# KiCad board totem_0_3.kicad_pcb
title: fabiTEM split keyboard; date: 2024-05-19; rev: 0.4; note: Made by GEIST & fabi
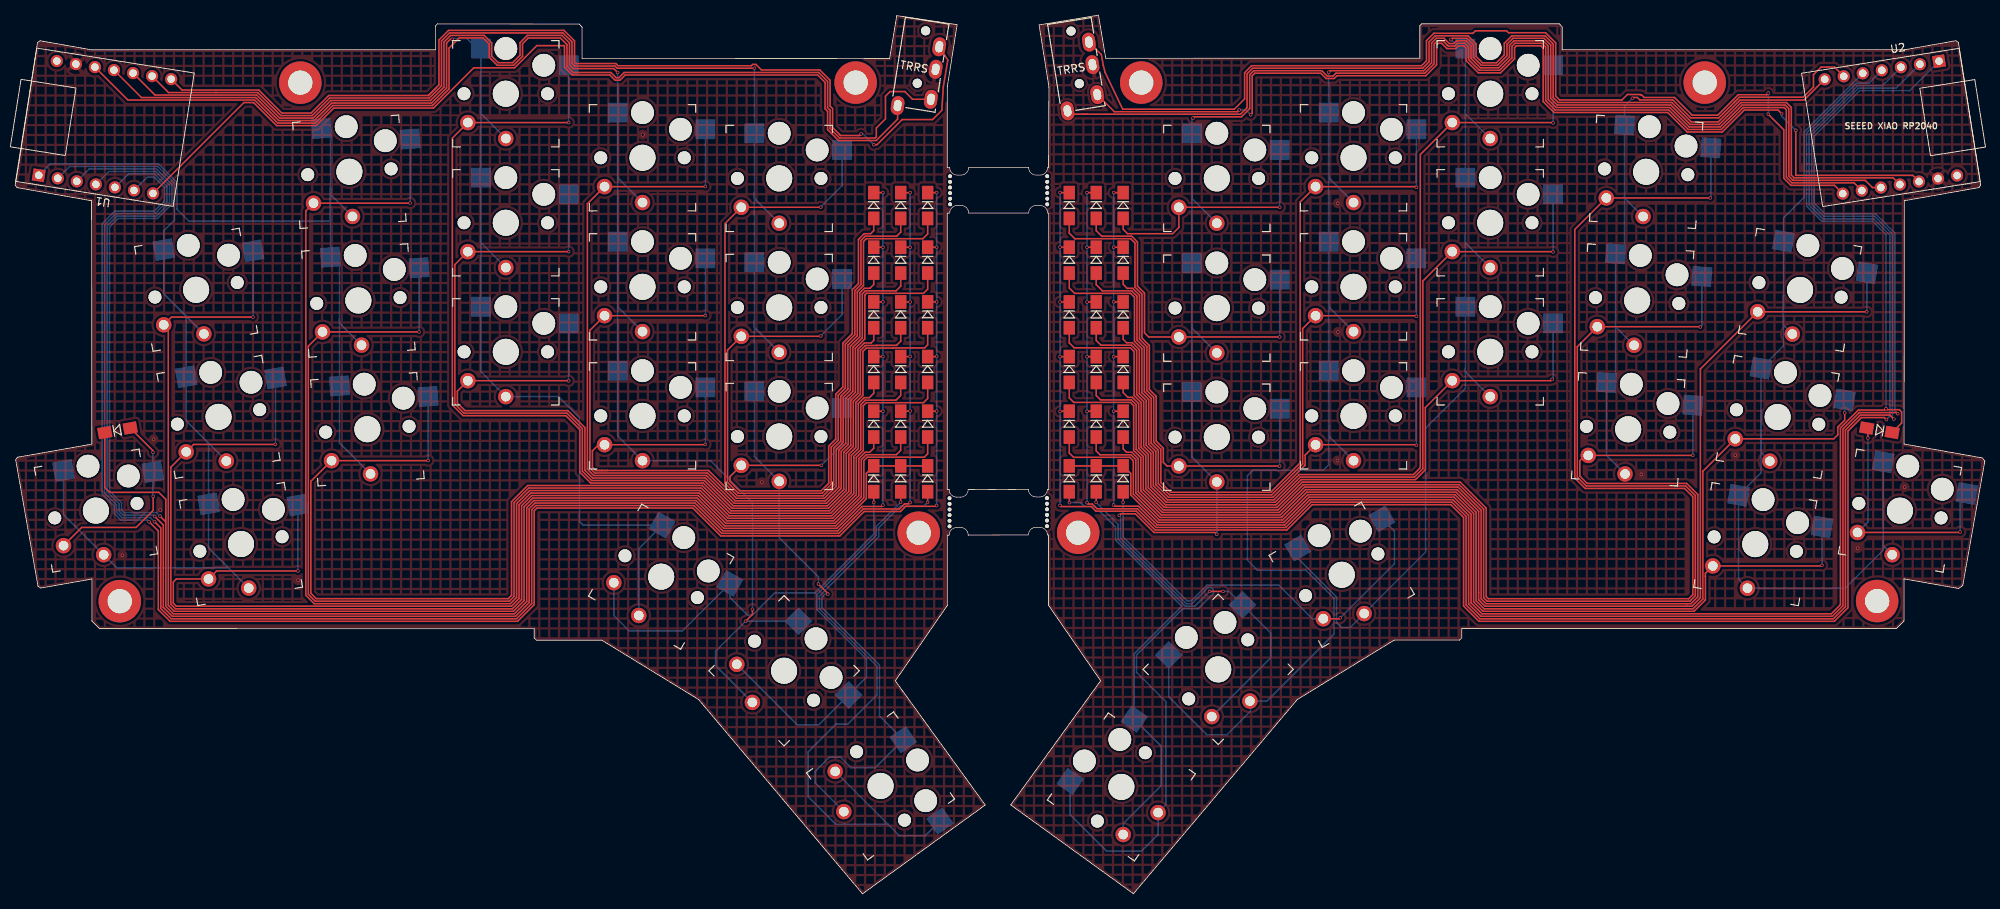
[diagram p0: board, top side]
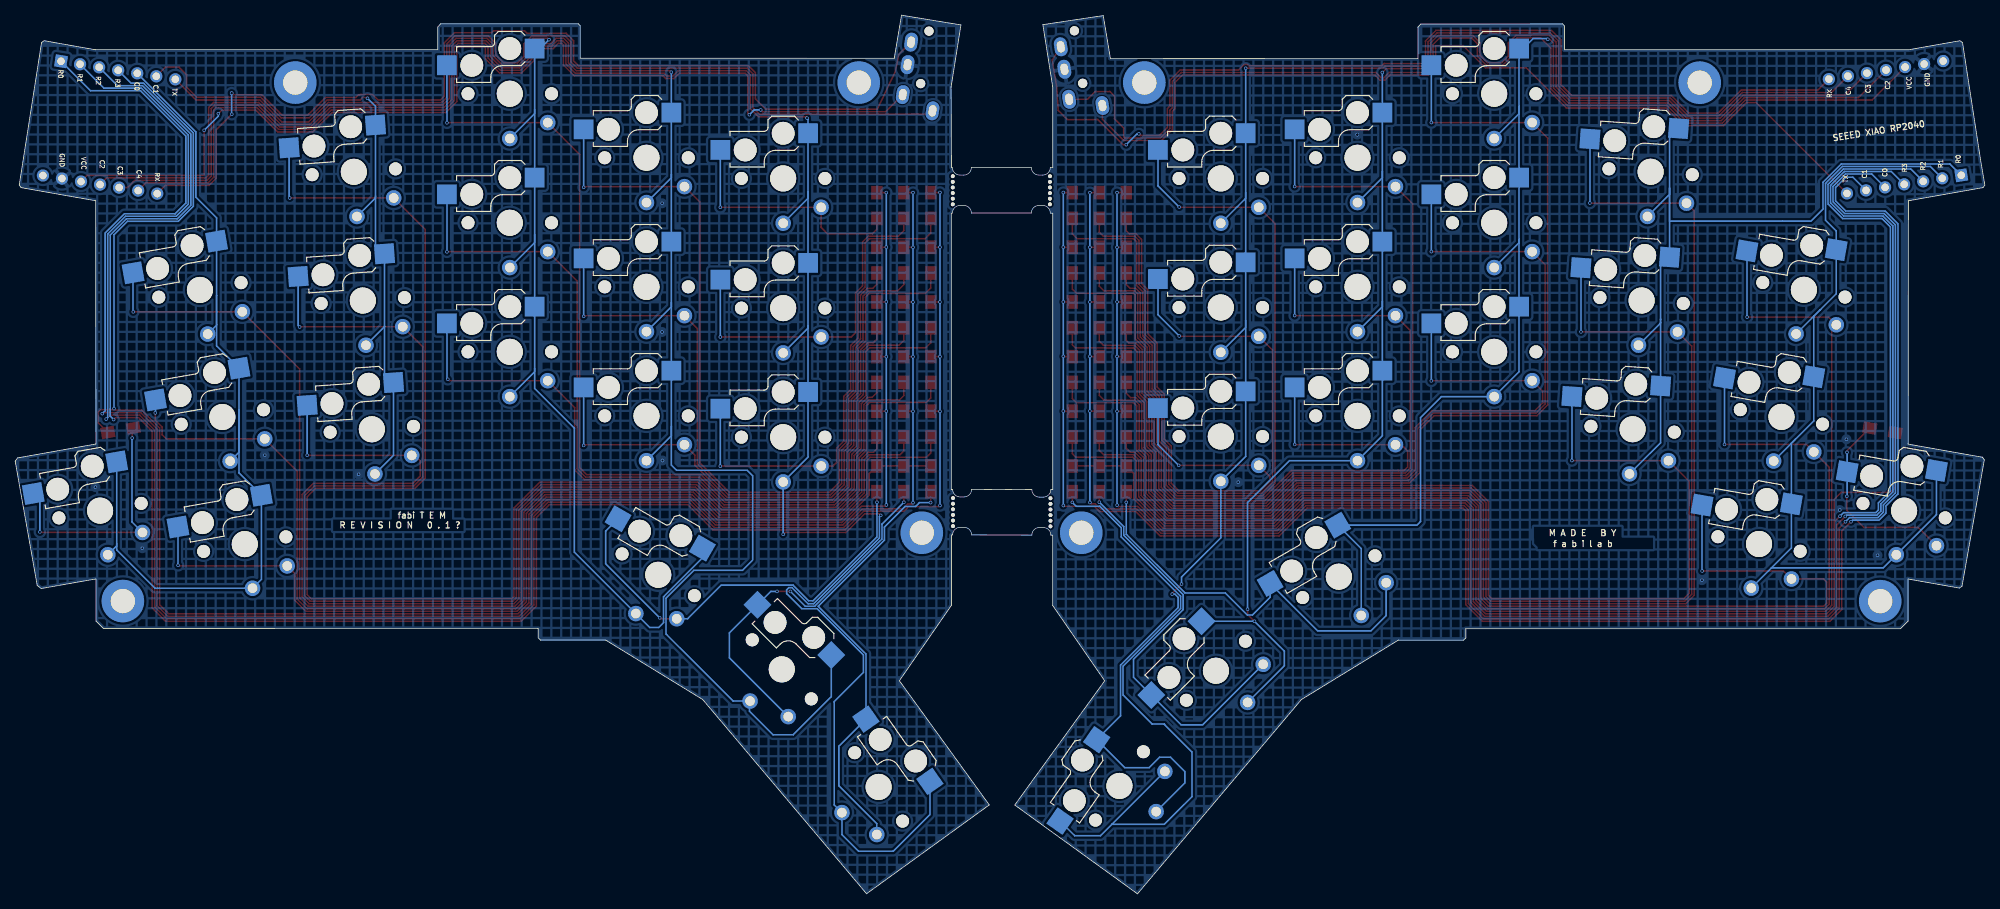
[diagram p1: board, bottom side, seen from below]

Outline 259.35 x 115.75 mm; copper layers: Top, Bottom. Coordinates in mm from the lower left corner of the outline.
Outline path: 123.05,89.68 122.73,89.65 122.73,53.25 122.98,53.26 ; 123.05,95.68 122.73,95.68 122.73,106.3 124.03,114.49 116.08,115.69 115.14,110.06 74.64,110.05 74.64,114.18 74.28,114.58 55.59,114.6 55.35,114.34 55.35,111.19 10.01,111.19 3.28,112.38 2.94,112.14 0.57,96.73 0,93.37 0.24,93.03 10.06,91.3 10.1,59.24 0.31,57.51 0.3,57.51 0.07,57.17 3,40.52 3.34,40.28 10.1,41.47 10.1,35.93 11.1,34.93 68.33,34.92 68.33,33.71 68.63,33.42 77.23,33.42 89.99,25.59 111.57,0 127.73,11.7 115.89,28.06 122.74,37.99 122.74,47.24 122.98,47.26 ; 125.55,89.68 133.45,89.68 ; 125.55,95.68 133.45,95.68 ; 133.42,47.28 125.48,47.26 ; 133.42,53.28 125.48,53.26 ; 135.95,89.68 136.09,89.65 136.09,53.25 135.92,53.28 ; 135.95,95.68 136.07,95.7 136.12,106.28 134.82,114.47 142.64,115.75 143.6,110.07 184.96,110.08 184.96,114.37 185.2,114.61 203.35,114.61 203.7,114.2 203.7,111.2 248.8,111.2 255.54,112.39 255.88,112.15 258.82,93.38 258.58,93.04 248.75,91.31 248.72,59.25 259.04,57.42 259.35,57 256.45,40.63 255.92,40.22 248.71,41.48 248.71,35.94 247.72,34.94 190.48,34.93 190.48,33.72 190.19,33.42 181.59,33.42 168.83,25.6 147.25,0.01 131.09,11.71 142.93,28.07 136.08,38 136.08,47.25 135.92,47.28
Stack: Top 0.035mm / dielectric 1.51mm FR4 er 4.5 / Bottom 0.035mm

## Placement (name value [footprint] x y rotation side)
DL1  D_Small  [Diode_SOD123]  120.15 61.87 270 top
DL2  D_Small  [Diode_SOD123]  120.15 69.07 270 top
DL3  D_Small  [Diode_SOD123]  120.15 76.27 270 top
DL4  D_Small  [Diode_SOD123]  120.15 83.47 270 top
DL5  D_Small  [Diode_SOD123]  120.15 90.67 270 top
DL6  D_Small  [Diode_SOD123]  116.6 61.87 270 top
DL7  D_Small  [Diode_SOD123]  116.6 69.07 270 top
DL8  D_Small  [Diode_SOD123]  116.6 76.27 270 top
DL9  D_Small  [Diode_SOD123]  116.6 83.47 270 top
DL10  D_Small  [Diode_SOD123]  116.6 90.67 270 top
DL11  D_Small  [Diode_SOD123]  113.05 61.87 270 top
DL12  D_Small  [Diode_SOD123]  113.05 69.07 270 top
DL13  D_Small  [Diode_SOD123]  113.05 76.27 270 top
DL14  D_Small  [Diode_SOD123]  113.05 83.47 270 top
DL15  D_Small  [Diode_SOD123]  113.05 90.67 270 top
DL16  D_Small  [Diode_SOD123]  13.47 61.07 10 top
DL17  D_Small  [Diode_SOD123]  113.05 54.67 270 top
DL18  D_Small  [Diode_SOD123]  116.6 54.67 270 top
DL19  D_Small  [Diode_SOD123]  120.15 54.67 270 top
DR1  D_Small  [Diode_SOD123]  145.9 61.87 270 top
DR2  D_Small  [Diode_SOD123]  145.9 69.07 270 top
DR3  D_Small  [Diode_SOD123]  145.9 76.27 270 top
DR4  D_Small  [Diode_SOD123]  145.9 83.47 270 top
DR5  D_Small  [Diode_SOD123]  145.9 90.67 270 top
DR6  D_Small  [Diode_SOD123]  142.35 61.87 270 top
DR7  D_Small  [Diode_SOD123]  142.35 69.07 270 top
DR8  D_Small  [Diode_SOD123]  142.35 76.27 270 top
DR9  D_Small  [Diode_SOD123]  142.35 83.47 270 top
DR10  D_Small  [Diode_SOD123]  142.35 90.67 270 top
DR11  D_Small  [Diode_SOD123]  138.8 61.87 270 top
DR12  D_Small  [Diode_SOD123]  138.8 69.07 270 top
DR13  D_Small  [Diode_SOD123]  138.8 76.27 270 top
DR14  D_Small  [Diode_SOD123]  138.8 83.47 270 top
DR15  D_Small  [Diode_SOD123]  138.8 90.67 270 top
DR16  D_Small  [Diode_SOD123]  245.47 61.07 170 top
DR17  D_Small  [Diode_SOD123]  145.9 54.67 270 top
DR18  D_Small  [Diode_SOD123]  142.35 54.67 270 top
DR19  D_Small  [Diode_SOD123]  138.8 54.67 270 top
J1  MJ-4PP-9  [MJ-4PP-9_1side]  120.11 115.17 351 top
J2  MJ-4PP-9  [MJ-4PP-9_1side]  138.79 115.13 9 top
REF**  mousebites 2mm  [mousebites_2.5mm]  135.92 50.28 0 top
REF**#2  -  [MountingHole_3.2mm_M3_DIN965_Pad]  118.97 47.57 0 top
REF**#3  -  [MountingHole_3.2mm_M3_DIN965_Pad]  13.77 38.55 0 top
REF**#4  -  [MountingHole_3.2mm_M3_DIN965_Pad]  245.17 38.57 0 top
REF**#5  -  [MountingHole_3.2mm_M3_DIN965_Pad]  222.47 106.87 0 top
REF**#6  -  [MountingHole_3.2mm_M3_DIN965_Pad]  37.54 106.86 0 top
REF**#7  mousebites 2mm  [mousebites_2.5mm]  122.98 50.26 180 top
REF**#8  mousebites 2mm  [mousebites_2.5mm]  135.95 92.68 0 top
REF**#9  -  [MountingHole_3.2mm_M3_DIN965_Pad]  139.97 47.57 0 top
REF**#10  -  [MountingHole_3.2mm_M3_DIN965_Pad]  110.67 106.87 0 top
REF**#11  mousebites 2mm  [mousebites_2.5mm]  123.05 92.68 180 top
REF**#12  -  [MountingHole_3.2mm_M3_DIN965_Pad]  148.27 106.87 0 top
SWL1  SW_Push_45deg  [Kailh_socket_PG1350_optional]  23.82 79.57 10 top
SWL2  SW_Push_45deg  [Kailh_socket_PG1350_optional]  44.01 95.12 4 top
SWL3  SW_Push_45deg  [Kailh_socket_PG1350_optional]  64.6 105.4 0 top
SWL4  SW_Push_45deg  [Kailh_socket_PG1350_optional]  82.6 96.96 0 top
SWL5  SW_Push_45deg  [Kailh_socket_PG1350_optional]  100.6 94.24 0 top
SWL6  SW_Push_45deg  [Kailh_socket_PG1350_optional]  26.78 62.83 10 top
SWL7  SW_Push_45deg  [Kailh_socket_PG1350_optional]  45.19 78.16 4 top
SWL8  SW_Push_45deg  [Kailh_socket_PG1350_optional]  64.6 88.4 0 top
SWL9  SW_Push_45deg  [Kailh_socket_PG1350_optional]  82.6 79.96 0 top
SWL10  SW_Push_45deg  [Kailh_socket_PG1350_optional]  100.6 77.24 0 top
SWL11  SW_Push_45deg  [Kailh_socket_PG1350_optional]  29.73 46.09 10 top
SWL12  SW_Push_45deg  [Kailh_socket_PG1350_optional]  46.38 61.2 4 top
SWL13  SW_Push_45deg  [Kailh_socket_PG1350_optional]  64.6 71.4 0 top
SWL14  SW_Push_45deg  [Kailh_socket_PG1350_optional]  82.6 62.96 0 top
SWL15  SW_Push_45deg  [Kailh_socket_PG1350_optional]  100.6 60.24 0 top
SWL16  SW_Push_45deg  [Kailh_socket_PG1350_optional]  10.63 50.48 10 top
SWL17  SW_Push_45deg  [Kailh_socket_PG1350_optional]  85.06 41.78 330 top
SWL18  SW_Push_45deg  [Kailh_socket_PG1350_optional#2]  101.24 29.39 315 top
SWL19  SW_Push_45deg  [Kailh_socket_PG1350_optional#4]  113.95 14.21 305 top
SWR1  SW_Push_45deg  [Kailh_socket_PG1350_optional]  235.03 79.55 350 top
SWR2  SW_Push_45deg  [Kailh_socket_PG1350_optional]  214.76 95.11 356 top
SWR3  SW_Push_45deg  [Kailh_socket_PG1350_optional]  194.23 105.4 0 top
SWR4  SW_Push_45deg  [Kailh_socket_PG1350_optional]  176.23 96.96 0 top
SWR5  SW_Push_45deg  [Kailh_socket_PG1350_optional]  158.23 94.24 0 top
SWR6  SW_Push_45deg  [Kailh_socket_PG1350_optional]  232.07 62.81 350 top
SWR7  SW_Push_45deg  [Kailh_socket_PG1350_optional]  213.58 78.15 356 top
SWR8  SW_Push_45deg  [Kailh_socket_PG1350_optional]  194.23 88.4 0 top
SWR9  SW_Push_45deg  [Kailh_socket_PG1350_optional]  176.23 79.96 0 top
SWR10  SW_Push_45deg  [Kailh_socket_PG1350_optional]  158.23 77.16 0 top
SWR11  SW_Push_45deg  [Kailh_socket_PG1350_optional]  229.12 46.07 350 top
SWR12  SW_Push_45deg  [Kailh_socket_PG1350_optional]  212.39 61.2 356 top
SWR13  SW_Push_45deg  [Kailh_socket_PG1350_optional]  194.23 71.4 0 top
SWR14  SW_Push_45deg  [Kailh_socket_PG1350_optional]  176.23 62.96 0 top
SWR15  SW_Push_45deg  [Kailh_socket_PG1350_optional]  158.23 60.16 0 top
SWR16  SW_Push_45deg  [Kailh_socket_PG1350_optional]  248.18 50.48 350 top
SWR17  SW_Push_45deg  [Kailh_socket_PG1350_optional#2]  174.68 42.03 30 top
SWR18  SW_Push_45deg  [Kailh_socket_PG1350_optional#3]  158.41 29.57 45 top
SWR19  SW_Push_45deg  [Kailh_socket_PG1350_optional#4]  145.66 14.08 55 top
U1  xiao-rp2040  [xiao RP2040 MOUDLE14P-2.54-21X17.8MM]  11.82 100.99 171 top
U2  xiao-rp2040  [xiao RP2040 MOUDLE14P-2.54-21X17.8MM]  246.98 100.96 9 top

## Library data of the parts
DL1-DL19 DR1-DR19 = -: ki_fp_filters: TO-???* *_Diode_* *SingleDiode* D_*

## Footprints (pads in the part's own frame, mm; a bottom-side part is the same pattern mirrored in y, then rotated)
Diode_SOD123
  rect 1.8x1.5 smd: 1(-1.7,0) 2(1.7,0)
Kailh_socket_PG1350_optional
  round 1.702 hole 1.702 unplated: (-5.5,0) (5.5,0)
  round 3 hole 3 unplated: (0,5.95) (5,3.75)
  round 3.429 hole 3.429 unplated: (0,0)
  rect 2.6x2.6 smd far side: 1(-3.275,5.95) 2(8.275,3.75)
  round 2.032 hole 1.27: 1(0,-5.9) 2(-5,-3.8)
Kailh_socket_PG1350_optional#2
  round 1.702 hole 1.702 unplated: (-5.5,0) (5.5,0)
  round 3 hole 3 unplated: (0,5.95) (5,3.75)
  round 3.429 hole 3.429 unplated: (0,0)
  rect 2.6x2.6 smd far side: 1(-3.275,5.95) 2(8.275,3.75)
  round 2.032 hole 1.27: 1(0,-5.9) 2(-5,-3.8)
Kailh_socket_PG1350_optional#3
  round 1.702 hole 1.702 unplated: (-5.5,0) (5.5,0)
  round 3 hole 3 unplated: (0,5.95) (5,3.75)
  round 3.429 hole 3.429 unplated: (0,0)
  rect 2.6x2.6 smd far side: 1(-3.275,5.95) 2(8.275,3.75)
  round 2.032 hole 1.27: 1(0,-5.9) 2(-5,-3.8)
Kailh_socket_PG1350_optional#4
  round 1.702 hole 1.702 unplated: (-5.5,0) (5.5,0)
  round 3.429 hole 3.429 unplated: (0,0)
  round 3 hole 3 unplated: (0,5.95) (5,3.75)
  rect 2.6x2.6 smd far side: 1(-3.275,5.95) 2(8.275,3.75)
  round 2.032 hole 1.27: 1(0,-5.9) 2(-5,-3.8)
MJ-4PP-9_1side
  round 1.2 hole 1.2 unplated: (0,-1.5) (0,-8.5)
  oval 1.7x2.5 hole 1x1.5: A(-2.1,-11.8) B(2.1,-3.3) C(2.1,-6.3) D(2.1,-10.3)
MountingHole_3.2mm_M3_DIN965_Pad
  round 5.6 hole 3.2: 1(0,0)
mousebites_2.5mm
  round 0.5 hole 0.5 unplated: (-0.05,1.85) (-0.05,1.11) (-0.05,0.37) (-0.05,-0.37) (-0.05,-1.11) (-0.05,-1.85)
xiao RP2040 MOUDLE14P-2.54-21X17.8MM
  rect 1.6x1.6 hole 1: 1(7.62,7.62)
  round 1.6 hole 1: 2(5.08,7.62) 3(2.54,7.62) 4(0,7.62) 5(-2.54,7.62) 6(-5.08,7.62) 7(-7.62,7.62) 8(-7.62,-7.62) 9(-5.08,-7.62) 10(-2.54,-7.62) 11(0,-7.62) 12(2.54,-7.62) 13(5.08,-7.62) 14(7.62,-7.62)

## Nets
GND_L: J1.C U1.13
GND_R: J2.C U2.13
VCC_L: J1.D U1.12
VCC_R: J2.D U2.12
COL0_L: SWL1.1 SWL6.1 SWL11.1 SWL16.1 U1.2
COL0_R: SWR1.1 SWR6.1 SWR11.1 SWR16.1 U2.5
COL1_L: SWL2.1 SWL7.1 SWL12.1 U1.1
COL1_R: SWR2.1 SWR7.1 SWR12.1 U2.6
COL2_L: SWL3.1 SWL8.1 SWL13.1 SWL17.1 U1.11
COL2_R: SWR3.1 SWR8.1 SWR13.1 SWR17.1 U2.11
COL3_L: SWL4.1 SWL9.1 SWL14.1 SWL18.1 U1.10
COL3_R: SWR4.1 SWR9.1 SWR14.1 SWR18.1 U2.10
COL4_L: SWL5.1 SWL10.1 SWL15.1 SWL19.1 U1.9
COL4_R: SWR5.1 SWR10.1 SWR15.1 SWR19.1 U2.9
ROW0_L: DL1.1 DL2.1 DL3.1 DL4.1 DL5.1 U1.6
ROW0_R: DR1.1 DR2.1 DR3.1 DR4.1 DR5.1 U2.1
ROW1_L: DL6.1 DL7.1 DL8.1 DL9.1 DL10.1 U1.5
ROW1_R: DR6.1 DR7.1 DR8.1 DR9.1 DR10.1 U2.2
ROW2_L: DL11.1 DL12.1 DL13.1 DL14.1 DL15.1 U1.4
ROW2_R: DR11.1 DR12.1 DR13.1 DR14.1 DR15.1 U2.3
ROW3_L: DL16.1 DL17.1 DL18.1 DL19.1 U1.3
ROW3_R: DR16.1 DR17.1 DR18.1 DR19.1 U2.4
RX_L: J1.B U1.8
RX_R: J2.B U2.8
TX_L: J1.A U1.7
TX_R: J2.A U2.7
Net-(DL1-A): DL1.2 SWL1.2
Net-(DL2-A): DL2.2 SWL2.2
Net-(DL3-A): DL3.2 SWL3.2
Net-(DL4-A): DL4.2 SWL4.2
Net-(DL5-A): DL5.2 SWL5.2
Net-(DL6-A): DL6.2 SWL6.2
Net-(DL7-A): DL7.2 SWL7.2
Net-(DL8-A): DL8.2 SWL8.2
Net-(DL9-A): DL9.2 SWL9.2
Net-(DL10-A): DL10.2 SWL10.2
Net-(DL11-A): DL11.2 SWL11.2
Net-(DL12-A): DL12.2 SWL12.2
Net-(DL13-A): DL13.2 SWL13.2
Net-(DL14-A): DL14.2 SWL14.2
Net-(DL15-A): DL15.2 SWL15.2
Net-(DL16-A): DL16.2 SWL16.2
Net-(DL17-A): DL17.2 SWL17.2
Net-(DL18-A): DL18.2 SWL18.2
Net-(DL19-A): DL19.2 SWL19.2
Net-(DR1-A): DR1.2 SWR1.2
Net-(DR2-A): DR2.2 SWR2.2
Net-(DR3-A): DR3.2 SWR3.2
Net-(DR4-A): DR4.2 SWR4.2
Net-(DR5-A): DR5.2 SWR5.2
Net-(DR6-A): DR6.2 SWR6.2
Net-(DR7-A): DR7.2 SWR7.2
Net-(DR8-A): DR8.2 SWR8.2
Net-(DR9-A): DR9.2 SWR9.2
Net-(DR10-A): DR10.2 SWR10.2
Net-(DR11-A): DR11.2 SWR11.2
Net-(DR12-A): DR12.2 SWR12.2
Net-(DR13-A): DR13.2 SWR13.2
Net-(DR14-A): DR14.2 SWR14.2
Net-(DR15-A): DR15.2 SWR15.2
Net-(DR16-A): DR16.2 SWR16.2
Net-(DR17-A): DR17.2 SWR17.2
Net-(DR18-A): DR18.2 SWR18.2
Net-(DR19-A): DR19.2 SWR19.2

Pads without a net: REF**#2 1; REF**#3 1; REF**#4 1; REF**#5 1; REF**#6 1; REF**#9 1; REF**#10 1; REF**#12 1; U1 14; U2 14

## Via types
v1: diameter 0.45, hole 0.3, Top to Bottom, 124 vias

## Routing (per net, layer and track width the routed paths; a pad name or vN(x,y) marks a point on that pad's centre or on a via; arc(x,y) is an arc through that point)
GND_L:
  vias: v1(14.12,44.6) v1(18.23,59.88) v1(19.1,50.56) v1(37.24,41.32) v1(82.63,100.01) v1(82.63,100.01) v1(82.63,100.01) v1(98.31,54.22)
GND_R:
  vias: v1(174.12,57.09) v1(174.16,90.97) v1(174.17,74.01) v1(214.13,55.26) v1(226.5,57.78) v1(242.61,45.52) v1(248.79,53.57)
VCC_L: length 142.4
  Top w0.2: U1.12 14.85,104.57 31.53,104.57 34.56,101.53 39.51,101.53 41.83,103.85 54.95,103.85 57.13,106.03 57.13,111.41 58.47,112.75 61.59,112.75 62.41,111.93 62.41,110.21 63.48,109.14 65.62,109.14 66.8,110.32 66.8,111.99 67.55,112.74 71.79,112.74 72.66,111.87 72.66,109.02 73.48,108.2 78.44,108.2 79.13,107.51 79.49,107.51 80.18,108.2 105.8,108.2 106.97,107.02 106.97,103.55 107.3,103.22 107.3,100.81 108.55,99.57 113.24,99.57 113.39,99.72 113.39,100.89 114.59,102.09 114.59,105.08 115.2,105.69 117.14,105.69 118.16,104.67 J1.D
VCC_R: length 141.5
  Top w0.2: J2.D 142.48,105.28 144.74,103.03 160.94,103.03 v1(161.18,103.27) 161,103.08 ; v1(162.68,102.64) 162.89,102.85 162.89,107.77 163.22,108.1 171.91,108.1 172.61,107.4 173.68,107.4 174.05,107.77 185.74,107.77 187.16,109.19 187.16,111.81 187.4,112.04 187.83,112.04 188.52,111.35 189.7,111.35 190.06,111.71 190.75,111.71 191.04,111.42 191.04,109.78 192.66,108.15 195.58,108.15 197.43,110 197.43,111.47 197.67,111.71 200.9,111.71 201.2,111.42 201.2,104.36 202.63,102.93 217.6,102.93 220.16,100.36 224.79,100.36 227.68,103.25 232.13,103.25 v1(232.6,102.78) ; U2.12 249.87,94.65 234.47,94.65 v1(234.47,100.58)
  Bottom w0.2: v1(161.18,103.27) 162.05,103.27 v1(162.68,102.64) ; v1(232.6,102.78) 232.6,102.45 v1(234.47,100.58)
COL0_L: length 114.4
  Bottom w0.2: SWL11.1 28.08,42.95 ; 28.08,42.95 25.47,45.56 SWL11.1 25.47,59.35 24.96,59.85 ; 28.08,42.95 28.07,42.93 13.38,42.93 SWL16.1 6.37,49.95 SWL16.1 ; 21.67,76.93 22.52,76.09 SWL6.1 22.52,62.3 24.96,59.85 ; 21.67,76.93 SWL1.1 ; 21.67,76.93 19.57,79.04 SWL1.1 19.57,87.33 20.97,88.74 20.97,93.6 18.75,95.82 7.17,95.82 U1.2 ; SWL6.1 24.96,59.85
COL0_R: length 121.4
  Bottom w0.2: SWR1.1 232.83,74.91 232.83,78.82 ; 245.98,46.11 245.98,45.83 SWR16.1 ; 245.98,46.11 SWR16.1 ; 245.98,46.11 245.98,45.3 240.94,40.26 SWR11.1 226.93,41.43 SWR11.1 229.88,55.45 229.88,63.79 ; 229.88,63.79 229.88,58.17 SWR6.1 ; 229.88,63.79 SWR6.1 232.83,72.19 232.83,78.82 ; 232.83,78.82 SWR1.1 232.83,89.05 235.56,91.78 235.56,100.37 U2.5
COL1_L: length 107.6
  Bottom w0.2: 41.51,92.97 41.51,88.62 26.68,88.62 ; 41.51,92.97 41.51,99.64 SWL2.1 40.32,101.2 40.44,101.32 ; 41.51,92.97 41.51,92.14 SWL2.1 ; 41.51,92.97 SWL7.1 42.69,82.68 42.69,75.71 ; 26.68,88.62 22.88,88.62 21.3,90.2 21.3,93.73 18.89,96.15 4.59,96.15 U1.1 ; 26.68,88.62 26,88.62 ; SWL7.1 42.69,75.18 42.69,75.71 ; 42.69,75.71 SWL12.1 42.69,59.41 SWL12.1
COL1_R: length 93
  Top w0.2: v1(212.96,104.8) 213.07,104.91 213.6,104.91 213.93,104.58 218.28,104.58 220.63,102.23 224.32,102.23 226.33,104.24 ; 226.33,104.24 227.03,104.94 235.44,104.94 236.79,106.29 236.79,107.92 236.8,107.92 237.79,108.91 239.56,108.91 U2.6 ; 226.33,104.24 226.82,104.73
  Bottom w0.2: SWR12.1 209.54,57.75 SWR12.1 210.72,68.55 210.72,74.77 ; SWR2.1 211.91,91.67 211.91,91.91 ; SWR7.1 210.72,74.71 210.72,74.77 ; 210.72,74.77 SWR7.1 211.91,85.5 211.91,91.91 ; v1(212.96,104.8) 211.91,103.74 SWR2.1 211.91,91.91
COL2_L: length 165.7
  Top w0.2: U1.11 16.63,104.9 31.66,104.9 34.7,101.86 39.37,101.86 41.69,104.18 42.06,104.18 54.81,104.18 56.8,106.16 56.8,112.08 57.28,112.57 v1(57.55,112.57)
  Bottom w0.2: 61.33,103.73 61.33,102.77 SWL3.1 ; 61.33,103.73 SWL8.1 61.33,86.23 ; 61.33,103.73 SWL3.1 ; 61.33,86.23 61.33,85.77 SWL8.1 ; 61.33,86.23 SWL13.1 61.33,68.77 SWL13.1 71.55,65.5 74.3,62.74 74.3,49.05 74.78,48.57 SWL17.1 82.11,45.48 SWL17.1 ; 60.79,111.35 59.48,112.67 57.65,112.67 v1(57.55,112.57)
COL2_R: length 197.8
  Top w0.2: U2.11 247.29,94.32 234.24,94.32 233.87,94.68 233.87,103.6 233.23,104.24 227.26,104.24 224.38,101.35 220.57,101.35 218.01,103.92 203.04,103.92 202.19,104.77 202.19,111.83 201.31,112.7 197.22,112.7 196.43,111.92 196.43,110.4 195.17,109.14 193.07,109.14 192.03,110.19 192.03,111.83 191.16,112.7 189.22,112.7 v1(189.05,112.53)
  Bottom w0.2: 190.95,69.21 SWR13.1 190.95,86.8 ; 190.95,69.21 190.95,68.77 SWR13.1 ; 190.95,69.21 190.95,66.58 185.72,61.35 185.72,45.02 SWR17.1 175.8,35.09 174.61,35.09 173.98,35.72 173.98,39.12 168.87,44.24 SWR17.1 ; 190.95,86.8 190.95,103.3 ; 190.95,86.8 190.95,85.77 SWR8.1 ; 190.95,103.3 SWR3.1 ; 190.95,103.3 190.95,102.77 SWR3.1 ; v1(189.05,112.53) 190.23,111.35
COL3_L: length 200.3
  Top w0.2: v1(96.18,35.91) 97.08,36.82 v1(97.08,37.49) ; v1(79.33,108.2) 78.81,108.72 73.47,108.72 72.99,109.2 72.99,112.09 71.99,113.08 67.43,113.08 66.47,112.13 66.47,110.47 65.5,109.49 63.6,109.49 62.75,110.34 62.75,112.08 61.75,113.08 57.33,113.08 56.46,112.21 56.46,106.29 54.68,104.51 41.55,104.51 39.24,102.19 34.83,102.19 31.8,105.23 18.41,105.23 U1.10
  Bottom w0.2: v1(79.33,108.2) SWL4.1 79.33,95.19 ; 79.33,78.08 SWL9.1 79.33,95.19 ; 79.33,78.08 SWL14.1 79.33,60.34 SWL14.1 91.56,57.06 97.08,51.54 v1(97.08,37.49) ; 79.33,78.08 79.33,77.34 SWL9.1 ; SWL18.1 92.23,30.05 92.23,31.97 v1(96.18,35.91) SWL18.1 ; 79.33,95.19 79.33,94.34 SWL4.1
COL3_R: length 245.1
  Top w0.2: U2.10 244.56,93.04 243.61,93.99 234.1,93.99 233.54,94.54 233.54,103.43 233.07,103.91 227.4,103.91 224.51,101.02 220.43,101.02 217.87,103.59 202.91,103.59 201.86,104.63 201.86,111.69 201.18,112.37 197.35,112.37 196.76,111.78 196.76,110.26 195.31,108.81 192.94,108.81 191.7,110.05 191.7,111.7 191.02,112.37 189.79,112.37 189.43,112.01 188.83,112.01 188.45,112.39 188.14,112.7 187.13,112.7 186.5,112.08 186.5,109.47 185.47,108.43 173.15,108.43 v1(172.96,108.23)
  Bottom w0.2: 172.95,61.61 SWR14.1 172.95,77.85 ; 172.95,61.61 172.95,60.34 SWR14.1 ; 172.95,61.61 172.95,56.49 172.26,55.8 162.97,55.8 162.24,55.07 162.24,43.99 ; SWR4.1 172.95,94.34 172.95,94.77 ; 162.32,43.88 163.58,42.62 169.98,42.62 173.65,38.95 173.65,34.23 164.82,25.4 SWR18.1 162.66,25.32 162.66,24.06 159.56,20.96 156.9,20.96 151.89,25.97 SWR18.1 ; 172.95,77.85 172.95,94.77 ; 172.95,77.85 172.95,77.34 SWR9.1 ; 172.95,94.77 SWR4.1 172.95,108.23 v1(172.96,108.23)
COL4_L: length 222.8
  Top w0.2: v1(97.33,108.76) 79.25,108.76 78.96,109.05 73.67,109.05 73.32,109.4 73.32,112.23 72.13,113.41 57.19,113.41 56.13,112.35 56.13,106.43 54.54,104.84 41.42,104.84 39.1,102.52 34.97,102.52 31.94,105.56 26.47,105.56 ; v1(107,39.48) 107,39.58 v1(105.77,40.81) ; 26.47,105.56 26.33,105.56 ; 26.47,105.56 20.19,105.56 U1.9
  Bottom w0.2: SWL10.1 97.33,74.62 97.33,75.54 ; 97.33,75.54 SWL10.1 97.33,92.35 ; 97.33,75.54 SWL15.1 97.33,57.62 SWL15.1 100.6,46.9 105.77,41.73 v1(105.77,40.81) ; v1(107,39.48) 106.64,39.48 106.22,39.06 106.22,37.7 113.8,30.12 113.8,23.45 SWL19.1 113.25,16.62 110.04,16.62 108.66,18 107.22,18 105.33,16.11 105.33,14.61 SWL19.1 ; 97.33,92.35 97.33,91.62 SWL5.1 ; 97.33,92.35 SWL5.1 v1(97.33,108.76)
COL4_R: length 281.1
  Top w0.2: v1(158.22,47.36) 157.98,47.6 149.96,47.6 147.5,50.07 145.6,50.07 v1(145.38,49.85) ; U2.9 242.14,93.66 233.96,93.66 233.21,94.41 233.21,103.3 232.93,103.58 227.54,103.58 224.65,100.69 220.3,100.69 217.73,103.26 202.77,103.26 201.53,104.5 201.53,111.55 201.04,112.04 197.49,112.04 197.09,111.65 197.09,110.13 195.45,108.48 192.8,108.48 191.37,109.91 191.37,111.56 190.89,112.04 189.93,112.04 189.56,111.68 188.7,111.68 188.5,111.87 188.5,111.87 188,112.37 187.26,112.37 186.83,111.94 186.83,109.33 185.61,108.1 173.91,108.1 173.54,107.73 172.75,107.73 172.05,108.43 163.08,108.43 162.56,107.91 162.56,103.45 161.48,102.37 155.26,102.37 v1(155.09,102.19)
  Bottom w0.2: SWR10.1 154.95,74.53 154.95,74.82 ; 154.95,74.82 154.95,92.44 ; 154.95,74.82 SWR15.1 154.95,57.53 SWR15.1 158.23,47.36 v1(158.22,47.36) ; SWR5.1 154.95,91.62 154.95,92.44 ; v1(145.38,49.85) 145.55,49.68 145.55,46.87 154.21,38.22 154.95,38.22 157.07,40.34 157.48,40.34 157.77,40.04 157.77,39.56 155.77,37.56 153.75,37.56 147.66,31.47 147.66,29.17 151.51,25.32 151.51,11.71 SWR19.1 150.49,7.81 148.29,5.61 143.73,5.61 138.91,10.43 SWR19.1 ; 154.95,92.44 SWR5.1 154.95,102.06 v1(155.09,102.19)
ROW0_L: length 239.4
  Top w0.2: DL5.1 121.33,92.37 v1(121.34,92.38) ; DL4.1 121.37,85.17 ; DL3.1 121.37,77.97 ; 121.37,63.58 120.16,63.58 ; DL2.1 121.35,70.77 ; v1(17.62,49.02) 18.84,47.8 18.84,37.45 20.39,35.9 66.15,35.9 68.35,38.1 68.35,50.46 68.7,50.82 89.24,50.82 92.91,47.15 108.41,47.15 108.58,47.15 111.8,50.37 116.58,50.37 117.26,51.05 121.23,51.05 v1(121.33,51.15)
  Bottom w0.2: v1(121.34,92.38) v1(121.34,85.18) v1(121.34,77.98) v1(121.34,70.8) v1(121.34,63.58) 121.34,51.16 v1(121.33,51.15) ; v1(17.62,49.02) 17.41,49.23 13.94,49.23 13.02,50.14 13.02,51.09 11.44,52.67 11.44,88.26 13.13,89.95 18.31,89.95 19.65,91.29 19.65,93.05 18.3,94.4 17.37,94.4 U1.6
ROW0_R: length 256.7
  Top w0.2: DR5.1 144.66,92.37 v1(144.65,92.38) ; v1(144.63,51.23) 144.8,51.06 147.91,51.06 150.37,48.59 167.16,48.59 170.5,51.93 189.31,51.93 191.38,49.86 191.38,38.19 193.01,36.56 239.28,36.56 240.67,37.96 240.67,61.24 242.83,63.4 247.74,63.4 v1(247.88,63.26) ; DR1.1 144.65,63.57 v1(144.64,63.58) ; v1(144.64,85.19) 144.66,85.17 DR4.1 ; v1(144.64,70.76) 144.66,70.77 DR2.1 ; DR3.1 144.66,77.97 v1(144.64,77.99)
  Bottom w0.2: v1(144.65,92.38) 144.64,92.37 v1(144.64,85.19) v1(144.64,77.99) v1(144.64,70.76) v1(144.64,63.58) 144.64,51.24 v1(144.63,51.23) ; U2.1 249.44,105.8 242.86,105.8 236.88,99.82 236.88,90.99 238.28,89.59 244.97,89.59 247.5,87.06 247.5,63.64 v1(247.88,63.26)
ROW1_L: length 238.4
  Top w0.2: DL8.1 117.84,77.97 v1(117.84,77.97) ; v1(117.84,63.6) 117.82,63.57 DL6.1 ; v1(117.84,92.37) 116.61,92.37 ; DL7.1 117.82,70.77 v1(117.84,70.8) ; v1(117.84,85.17) 117.84,85.17 DL9.1 ; v1(18.35,49.02) 19.17,48.2 19.17,37.6 20.53,36.23 66.01,36.23 68.02,38.24 68.02,50.6 68.57,51.15 89.38,51.15 93.04,47.48 108.45,47.48 111.66,50.7 116.44,50.7 117.12,51.38 117.66,51.38 v1(117.83,51.55)
  Bottom w0.2: v1(18.35,49.02) 17.81,49.56 14.08,49.56 13.35,50.28 13.35,51.23 11.77,52.81 11.77,88.12 13.27,89.62 18.45,89.62 19.98,91.15 19.98,93.19 18.34,94.83 14.9,94.83 U1.5 ; v1(117.84,92.37) v1(117.84,85.17) v1(117.84,77.97) v1(117.84,70.8) v1(117.84,63.6) 117.84,51.56 v1(117.83,51.55)
ROW1_R: length 258
  Top w0.2: DR7.1 141.16,70.77 v1(141.13,70.75) ; DR8.1 141.15,77.97 v1(141.13,77.96) ; v1(141.13,92.38) 141.14,92.37 DR10.1 ; v1(141.13,51.53) 141.31,51.35 141.83,51.35 142.45,50.73 147.77,50.73 150.24,48.26 167.3,48.26 170.63,51.6 189.17,51.6 191.05,49.72 191.05,38.05 192.87,36.23 239.41,36.23 241,37.82 241,61.1 242.97,63.07 246.84,63.07 v1(247.37,62.54) ; DR9.1 141.14,85.17 v1(141.13,85.17) ; DR6.1 141.15,63.57 v1(141.13,63.56)
  Bottom w0.2: v1(141.13,92.38) v1(141.13,85.17) v1(141.13,77.96) v1(141.13,70.75) v1(141.13,63.56) v1(141.13,51.53) ; U2.2 247.66,106.13 242.73,106.13 236.55,99.96 236.55,90.85 238.15,89.26 244.84,89.26 247.17,86.92 247.17,62.73 v1(247.37,62.54)
ROW2_L: length 237.4
  Top w0.2: DL15.1 114.26,92.37 v1(114.26,92.38) ; DL13.1 114.26,77.97 v1(114.26,77.98) ; v1(114.26,70.79) 114.25,70.77 DL12.1 ; v1(114.26,85.17) 114.26,85.17 DL14.1 ; v1(114.26,63.57) 113.06,63.57 ; v1(114.26,51.2) 114.08,51.03 111.53,51.03 108.31,47.81 93.18,47.81 89.51,51.48 68.43,51.48 67.69,50.73 67.69,38.37 65.88,36.56 20.68,36.56 19.5,37.74 19.5,48.59 v1(18.37,49.72)
  Bottom w0.2: U1.4 12.32,95.16 18.48,95.16 20.31,93.32 20.31,91.02 18.58,89.29 13.4,89.29 12.1,87.99 12.1,52.95 13.68,51.37 13.68,50.42 14.21,49.89 18.2,49.89 v1(18.37,49.72) ; v1(114.26,51.2) 114.26,51.21 v1(114.26,63.57) v1(114.26,70.79) v1(114.26,77.98) v1(114.26,85.17) v1(114.26,92.38)
ROW2_R: length 258.7
  Top w0.2: v1(246.39,62.48) 246.14,62.74 243.1,62.74 241.33,60.96 241.33,37.68 239.55,35.9 192.73,35.9 190.72,37.92 190.72,49.57 189.02,51.27 170.79,51.27 167.45,47.93 150.1,47.93 147.63,50.4 142.31,50.4 141.69,51.02 137.72,51.02 v1(137.58,51.15) ; v1(137.58,85.19) 137.6,85.17 DR14.1 ; DR13.1 137.59,77.97 v1(137.58,77.97) ; DR15.1 137.6,92.37 v1(137.58,92.39) ; DR12.1 137.59,70.77 v1(137.58,70.77) ; v1(137.58,63.55) 137.61,63.57 DR11.1
  Bottom w0.2: v1(246.39,62.48) 246.84,62.93 246.84,86.78 244.7,88.93 238.01,88.93 236.22,90.71 236.22,100.1 242.59,106.46 245.88,106.46 U2.3 ; v1(137.58,92.39) v1(137.58,85.19) v1(137.58,77.97) v1(137.58,70.77) v1(137.58,63.55) 137.58,51.15 v1(137.58,51.15)
ROW3_L: length 221.6
  Top w0.2: DL19.1 DL17.1 112.07,55.39 112.07,52.04 108.17,48.14 93.32,48.14 89.65,51.81 68.29,51.81 67.36,50.87 67.36,38.51 65.74,36.89 20.81,36.89 19.83,37.87 19.83,51.96 18.9,52.89 12.43,52.89 11.8,53.52 DL16.1 ; v1(19.07,49.74) 19.83,48.99
  Bottom w0.2: v1(19.07,49.74) 18.6,50.22 14.35,50.22 14.01,50.55 14.01,51.5 12.43,53.08 12.43,87.85 13.54,88.96 18.72,88.96 20.64,90.88 20.64,93.46 18.62,95.49 9.74,95.49 U1.3
ROW3_R: length 215.3
  Top w0.2: DR16.1 248.4,62.03 248.4,63.48 248.1,63.78 246.48,63.78 v1(246.34,63.92) 246.15,63.73 242.69,63.73 240.34,61.37 240.34,38.09 239.14,36.89 193.14,36.89 191.71,38.33 191.71,39.58 191.71,50 189.45,52.26 170.36,52.26 167.03,48.92 150.51,48.92 146.89,52.54 146.89,55.38 DR17.1 DR19.1
  Bottom w0.2: 240.47,104.81 235.89,100.23 235.89,90.58 237.87,88.6 244.56,88.6 246.34,86.82 v1(246.34,63.92) ; 240.47,104.81 240.63,104.97 ; 240.47,104.81 242.45,106.79 244.1,106.79 U2.4
RX_L: length 135.3
  Top w0.2: v1(111.39,100.11) 111.18,99.9 108.69,99.9 108.5,100.08 ; 55.46,106.22 54.4,105.17 ; 55.46,106.22 55.8,106.56 55.8,112.48 57.06,113.74 72.27,113.74 73.65,112.36 73.65,109.54 73.81,109.38 79.1,109.38 79.39,109.09 96.92,109.09 97.09,109.26 97.54,109.26 98.27,108.53 105.95,108.53 107.3,107.18 107.3,103.78 107.63,103.45 107.63,100.95 108.68,99.9 ; 55.46,106.22 54.4,105.17 ; 54.4,105.17 41.28,105.17 38.96,102.85 35.11,102.85 32.07,105.89 21.97,105.89 U1.8 ; v1(113.05,98.69) 113.48,98.69 116.79,102 120.8,102 122.01,103.21 122.21,106.31 122.8,109.84 J1.B
  Bottom w0.2: v1(113.05,98.69) 111.63,100.11 v1(111.39,100.11)
RX_R: length 134.2
  Top w0.2: J2.B 143.02,110.56 143.28,109.14 143.51,108.21 145.83,103.36 160.52,103.36 161.88,104.72 161.88,108.17 162.81,109.09 185.19,109.09 185.83,109.74 185.83,112.39 186.8,113.36 191.95,113.36 192.28,113.69 196.38,113.69 196.63,113.44 201.51,113.44 202.85,112.1 202.85,105.09 203.36,104.58 211.57,104.58 212.29,105.3 213.96,105.3 213.99,105.26 214.15,105.26 214.5,104.91 218.49,104.91 220.83,102.57 224.19,102.57 226.89,105.27 230.64,105.27 v1(230.85,105.48) ; v1(230.83,102.7) 232.88,100.65 232.88,94.27 233.83,93.33 239.57,93.33 U2.8
  Bottom w0.2: v1(230.85,105.48) 230.85,102.72 v1(230.83,102.7)
TX_L: length 122.4
  Top w0.2: J1.A 116.19,102.05 113.38,99.24 108.41,99.24 106.97,100.68 106.97,103.09 106.64,103.42 106.64,106.89 105.66,107.87 80.32,107.87 79.63,107.18 78.99,107.18 78.3,107.87 73.34,107.87 72.33,108.88 72.33,111.74 68.69,111.74 65.76,108.81 60.38,108.81 55.09,103.52 41.96,103.52 39.65,101.2 34.42,101.2 31.39,104.24 30.12,104.24 U1.7
TX_R: length 125.1
  Top w0.2: 140.46,102.7 141.22,102.7 ; J2.A 138.73,103.14 139.24,102.63 139.31,102.7 141.22,102.7 ; 141.22,102.7 161.34,102.7 162.21,103.57 162.21,108.03 162.95,108.76 185.33,108.76 186.17,109.6 186.17,112.22 186.99,113.03 191.3,113.03 192.37,111.96 192.37,110.31 193.21,109.47 195.04,109.47 196.08,110.51 196.08,112.03 197.08,113.03 201.45,113.03 202.52,111.96 202.52,104.91 203.18,104.25 218.14,104.25 220.71,101.68 224.24,101.68 227.13,104.57 235.54,104.57 U2.7
Net-(DL1-A): length 181.5
  Top w0.2: 20.16,74.36 20.16,38.01 20.95,37.22 65.6,37.22 67.01,38.63 67.01,50.99 68.16,52.14 89.79,52.14 93.45,48.47 108.04,48.47 111.74,52.18 111.74,57.06 112.2,57.52 119.7,57.52 120.15,57.97 DL1.2 ; v1(31.3,75.98) 31.3,75.98 20.58,75.98 SWL1.2
  Bottom w0.2: SWL1.2 31.32,76 v1(31.3,75.98)
Net-(DL2-A): length 185.5
  Top w0.2: DL2.2 120.15,65.25 119.6,64.7 112.07,64.7 111.67,64.3 111.67,58.39 110.75,57.47 110.75,52.59 107.63,49.46 93.86,49.46 90.2,53.13 67.75,53.13 66.02,51.4 66.02,39.04 65.2,38.22 39.37,38.22 38.27,39.33 38.27,89.96 SWL2.2 51.98,90.98 v1(52,91)
  Bottom w0.2: SWL2.2 52,91.01 v1(52,91)
Net-(DL3-A): length 151.5
  Top w0.2: DL3.2 120.15,72.32 119.75,71.92 115.64,71.92 115.62,71.9 112.07,71.9 111.62,71.45 111.62,65.67 110.68,64.73 110.68,58.8 109.76,57.88 109.76,53 107.22,50.45 94.27,50.45 90.61,54.12 75.77,54.12 74.35,55.54 74.35,61.14 72.5,62.99 58.97,62.99 57.56,64.39 57.56,99.56 SWL3.2 72.87,101.6 v1(72.88,101.6)
  Bottom w0.2: v1(72.88,101.6) 72.88,101.6 SWL3.2
Net-(DL4-A): length 132.6
  Top w0.2: v1(90.88,93.18) 90.86,93.16 SWL4.2 75.34,90.9 75.34,55.95 76.18,55.11 91.02,55.11 94.68,51.44 106.81,51.44 108.77,53.41 108.77,58.29 109.69,59.21 109.69,65.14 110.63,66.08 110.63,71.86 111.87,73.1 111.87,78.9 112.08,79.1 119.6,79.1 120.15,79.66 DL4.2
  Bottom w0.2: SWL4.2 90.88,93.18 v1(90.88,93.18)
Net-(DL5-A): length 116.6
  Top w0.2: v1(106.07,90.47) 106.05,90.44 SWL5.2 93.46,88.3 93.46,54.07 95.1,52.43 106.4,52.43 107.78,53.82 107.78,58.7 108.7,59.62 108.7,65.55 109.64,66.49 109.64,72.27 110.88,73.51 110.88,79.31 111.7,80.13 111.7,85.93 112.07,86.3 119.52,86.3 120.15,86.93 DL5.2
  Bottom w0.2: SWL5.2 108.88,93.27 v1(106.07,90.47)
Net-(DL6-A): length 161.7
  Top w0.2: v1(34.28,59.2) 23.5,59.2 SWL6.2 20.49,56.19 20.49,38.15 21.09,37.55 65.47,37.55 66.68,38.77 66.68,51.13 68.02,52.47 89.92,52.47 93.59,48.8 107.9,48.8 111.41,52.31 111.41,57.2 112.06,57.85 116.03,57.85 116.6,58.42 DL6.2
  Bottom w0.2: v1(34.28,59.2) 34.27,59.2 SWL6.2
Net-(DL7-A): length 164.4
  Top w0.2: v1(53.18,74.03) 53.17,74.02 SWL7.2 38.6,72.15 38.6,39.46 39.5,38.55 65.07,38.55 65.69,39.17 65.69,51.53 67.61,53.46 90.33,53.46 94,49.79 107.49,49.79 110.42,52.72 110.42,57.61 111.34,58.53 111.34,64.44 111.94,65.03 115.97,65.03 116.6,65.66 DL7.2
  Bottom w0.2: SWL7.2 53.18,74.04 v1(53.18,74.03)
Net-(DL8-A): length 129.9
  Top w0.2: v1(72.88,84.6) 72.87,84.6 SWL8.2 57.89,82.89 57.89,64.53 59.1,63.32 72.64,63.32 74.68,61.27 74.68,55.67 75.91,54.45 90.74,54.45 94.41,50.78 107.08,50.78 109.43,53.13 109.43,58.02 110.35,58.94 110.35,64.86 111.29,65.8 111.29,71.59 111.94,72.23 113.45,72.23 113.47,72.25 116.05,72.25 116.6,72.8 DL8.2
  Bottom w0.2: v1(72.88,84.6) 72.88,84.6 SWL8.2
Net-(DL9-A): length 111
  Top w0.2: DL9.2 116.6,80.04 115.99,79.43 111.94,79.43 111.54,79.04 111.54,73.24 110.3,72 110.3,66.21 109.36,65.27 109.36,59.35 108.44,58.43 108.44,53.54 106.67,51.77 94.82,51.77 91.15,55.44 76.32,55.44 75.67,56.08 75.67,74.23 SWL9.2 90.86,76.16 v1(90.88,76.18)
  Bottom w0.2: v1(90.88,76.18) 90.88,76.18 SWL9.2
Net-(DL10-A): length 95.1
  Top w0.2: v1(106.07,73.49) 106.02,73.44 SWL10.2 93.79,71.63 93.79,54.21 95.24,52.76 106.26,52.76 107.45,53.95 107.45,58.84 108.37,59.76 108.37,65.68 109.31,66.62 109.31,72.41 110.55,73.65 110.55,79.45 111.37,80.26 111.37,86.07 111.94,86.63 116.07,86.63 116.6,87.16 DL10.2
  Bottom w0.2: SWL10.2 108.88,76.3 v1(106.07,73.49)
Net-(DL11-A): length 144.1
  Top w0.2: DL11.2 113.05,58.7 112.52,58.18 111.93,58.18 111.08,57.33 111.08,52.45 107.76,49.13 93.73,49.13 90.06,52.8 67.88,52.8 66.35,51.26 66.35,38.9 65.34,37.89 21.21,37.89 20.82,38.28 20.82,41.07 21.22,41.48 SWL11.2 26.52,42.53 v1(37.23,42.53)
  Bottom w0.2: v1(37.23,42.53) SWL11.2
Net-(DL12-A): length 143.4
  Top w0.2: v1(54.38,57.08) 54.36,57.06 SWL12.2 38.93,54.34 38.93,39.6 39.64,38.88 64.93,38.88 65.36,39.31 65.36,51.67 67.47,53.79 90.47,53.79 94.14,50.12 107.35,50.12 110.09,52.86 110.09,57.74 111.01,58.67 111.01,64.58 111.8,65.36 112.47,65.36 113.05,65.94 DL12.2
  Bottom w0.2: v1(54.38,57.08) 54.37,57.08 SWL12.2
Net-(DL13-A): length 108.5
  Top w0.2: DL13.2 113.05,72.91 112.7,72.56 111.8,72.56 110.96,71.73 110.96,65.94 110.02,65 110.02,59.08 109.1,58.15 109.1,53.27 106.94,51.11 94.55,51.11 90.88,54.78 76.05,54.78 75.01,55.81 75.01,61.41 72.77,63.65 59.24,63.65 58.22,64.67 58.22,66.22 SWL13.2 72.86,67.6 v1(72.88,67.58)
  Bottom w0.2: SWL13.2 72.88,67.58 v1(72.88,67.58)
Net-(DL14-A): length 90.6
  Top w0.2: SWL14.2 90.84,59.16 v1(90.88,59.2) ; DL14.2 113.05,80.27 112.55,79.76 111.8,79.76 111.21,79.18 111.21,73.38 109.97,72.14 109.97,66.35 109.03,65.41 109.03,59.49 108.11,58.56 108.11,53.68 106.53,52.1 94.96,52.1 91.3,55.77 77.97,55.77 ; 76.46,55.77 76,56.22 76,58.35 76.82,59.16 ; 76.46,55.77 77.97,55.77 ; 76.46,55.77 77.97,55.77
  Bottom w0.2: SWL14.2 90.88,59.2 v1(90.88,59.2)
Net-(DL15-A): length 73.7
  Top w0.2: v1(106.15,56.44) 106.15,56.44 SWL15.2 94.12,54.96 94.12,54.34 95.37,53.09 106.12,53.09 107.12,54.09 107.12,58.97 108.04,59.9 108.04,65.82 108.98,66.76 108.98,72.55 110.22,73.79 110.22,79.59 111.04,80.4 111.04,86.2 111.8,86.96 112.65,86.96 113.05,87.37 DL15.2
  Bottom w0.2: v1(106.15,56.44) 108.88,59.17 SWL15.2
Net-(DL16-A): length 25.9
  Top w0.2: v1(18.15,58.15) 18.15,58.36 DL16.2 ; v1(18.17,52.37) 18.17,50.52 15.92,48.27 8.76,48.27 SWL16.2
  Bottom w0.2: v1(18.17,52.37) 18.12,52.42 SWL16.2 18.12,58.13 v1(18.15,58.15)
Net-(DL17-A): length 54.8
  Top w0.2: DL17.2 113.05,51.57 v1(113.05,51.57)
  Bottom w0.2: v1(113.05,51.57) 113.05,47.37 105.32,39.64 100.01,39.64 97.1,36.73 96.44,36.73 94.1,39.07 SWL17.2 87.85,34.64 80.84,34.64 78.83,36.65 SWL17.2
Net-(DL18-A): length 54.7
  Top w0.2: v1(116.6,51.59) 116.6,51.59 DL18.2
  Bottom w0.2: v1(116.6,51.59) 113.38,48.37 113.38,47.23 105.56,39.41 105.56,37.43 112.09,30.9 112.09,28.53 105.82,22.26 103,22.26 SWL18.2
Net-(DL19-A): length 85.9
  Top w0.2: DL19.2 120.15,51.57 v1(120.15,51.57)
  Bottom w0.2: 114.94,9.16 SWL19.2 ; 114.94,9.16 116.44,7.66 119.84,7.66 SWL19.2 ; 114.94,9.16 108.04,9.16 104.4,12.8 104.4,18.69 108.03,22.32 108.03,22.37 109.64,22.37 113.47,26.2 113.47,29.99 105.89,37.57 105.89,39.19 113.71,47.01 113.71,48.24 116.53,51.05 119.63,51.05 v1(120.15,51.57)
Net-(DR1-A): length 159.1
  Top w0.2: DR1.2 145.9,58.6 146.33,58.17 147.05,58.17 147.88,57.33 147.88,52.95 150.92,49.91 166.58,49.91 169.91,53.25 189.86,53.25 192.7,50.41 192.7,39.68 192.7,38.74 193.55,37.89 220.25,37.89 220.78,37.89 221.9,39 221.9,69.14 SWR1.2 243.8,76.68 v1(243.8,76.67)
  Bottom w0.2: SWR1.2 243.83,76.7 v1(243.8,76.67)
Net-(DR2-A): length 191.9
  Top w0.2: DR2.2 145.9,66.02 146.52,65.4 147.11,65.4 147.93,64.58 147.93,58.68 148.87,57.74 148.87,53.36 151.32,50.91 151.59,50.91 151.6,50.9 166.15,50.9 169.48,54.24 190.27,54.24 193.69,50.82 193.69,39.16 193.98,38.88 220.37,38.88 220.91,39.41 220.91,52.3 219.81,53.4 206.73,53.4 205.36,54.77 205.36,87.52 SWR2.2 223.2,91.67 v1(223.2,91.67)
  Bottom w0.2: SWR2.2 223.28,91.75 v1(223.2,91.67)
Net-(DR3-A): length 128.6
  Top w0.2: DR3.2 145.9,73.05 146.35,72.6 147.11,72.6 148.02,71.69 148.02,65.89 148.92,64.99 148.92,59.09 149.86,58.15 149.86,53.77 151.73,51.9 165.75,51.9 169.07,55.23 184.11,55.23 185.02,56.14 185.02,97.39 SWR3.2 202.48,101.6 v1(202.5,101.57)
  Bottom w0.2: SWR3.2 v1(202.5,101.57)
Net-(DR4-A): length 108.7
  Top w0.2: DR4.2 145.9,80.29 146.42,79.76 147.15,79.76 148.04,78.87 148.04,73.07 149.01,72.1 149.01,66.3 149.91,65.4 149.91,59.5 150.85,58.56 150.85,54.18 152.14,52.89 165.32,52.89 169.2,56.77 169.2,91.13 SWR4.2 184.41,93.16 v1(184.5,93.07)
  Bottom w0.2: SWR4.2 v1(184.5,93.07)
Net-(DR5-A): length 32.8
  Top w0.2: v1(166.5,90.44) SWR5.2 153.23,87.82 153.24,87.8 152.4,86.96 146.47,86.96 145.9,87.54 DR5.2
  Bottom w0.2: SWR5.2 v1(166.5,90.44)
Net-(DR6-A): length 144.6
  Top w0.2: DR6.2 142.35,58.33 142.84,57.84 146.91,57.84 147.55,57.19 147.55,52.81 150.78,49.58 166.75,49.58 166.75,49.6 170.07,52.92 189.72,52.92 192.37,50.27 192.37,38.6 193.42,37.55 220.94,37.55 222.23,38.84 222.23,55.68 SWR6.2 239.45,59.94 240,60.49 240,61.5 240.9,62.4 v1(240.9,63.36)
  Bottom w0.2: SWR6.2 240.88,63.39 v1(240.9,63.36)
Net-(DR7-A): length 178.7
  Top w0.2: v1(221.9,74.67) 221.86,74.71 SWR7.2 205.69,72.08 205.69,54.91 206.86,53.73 219.96,53.73 221.24,52.46 221.24,39.28 220.51,38.55 193.82,38.55 193.36,39.01 193.36,50.68 190.13,53.91 169.63,53.91 166.29,50.57 151.19,50.57 148.54,53.22 148.54,57.6 147.6,58.54 147.6,64.44 146.98,65.07 142.91,65.07 142.35,65.63 DR7.2
  Bottom w0.2: SWR7.2 222.09,74.86 v1(221.9,74.67)
Net-(DR8-A): length 115.8
  Top w0.2: v1(202.5,84.57) 202.48,84.6 SWR8.2 185.35,80.72 185.35,56 184.25,54.9 169.21,54.9 165.88,51.57 151.59,51.57 149.53,53.63 149.53,58.01 148.59,58.95 148.59,64.85 147.67,65.78 147.67,71.58 146.98,72.27 142.97,72.27 142.35,72.89 DR8.2
  Bottom w0.2: SWR8.2 v1(202.5,84.57)
Net-(DR9-A): length 95.9
  Top w0.2: v1(184.5,76.07) 184.41,76.16 SWR9.2 169.53,74.46 169.53,56.63 165.46,52.56 152,52.56 150.52,54.04 150.52,58.42 149.58,59.36 149.58,65.26 148.68,66.16 148.68,71.96 147.71,72.93 147.71,78.73 147.01,79.43 143.16,79.43 142.35,80.25 DR9.2
  Bottom w0.2: SWR9.2 v1(184.5,76.07)
Net-(DR10-A): length 45.6
  Top w0.2: DR10.2 142.35,87.35 143.07,86.63 147.01,86.63 147.77,85.87 147.77,80.07 148.7,79.14 148.7,73.91 149.25,73.36 SWR10.2 166.5,73.36 v1(166.5,73.35)
  Bottom w0.2: SWR10.2 v1(166.5,73.35)
Net-(DR11-A): length 131.6
  Top w0.2: v1(237.9,43.27) 237.82,43.19 SWR11.2 222.56,42.22 222.56,38.71 221.08,37.22 193.28,37.22 192.04,38.46 192.04,50.13 189.58,52.59 170.22,52.59 166.89,49.25 150.65,49.25 147.22,52.67 147.22,57.06 146.77,57.51 139.36,57.51 138.8,58.07 DR11.2
  Bottom w0.2: SWR11.2 237.92,43.29 v1(237.9,43.27)
Net-(DR12-A): length 165.4
  Top w0.2: DR12.2 138.8,65.33 139.39,64.74 146.84,64.74 147.27,64.3 147.27,58.41 148.21,57.47 148.21,53.08 151.06,50.24 166.44,50.24 169.78,53.58 189.99,53.58 193.03,50.54 193.03,38.87 193.69,38.22 220.1,38.22 220.65,38.22 221.57,39.14 221.57,52.59 220.1,54.06 207,54.06 206.02,55.04 206.02,57.05 206.72,57.75 ; SWR12.2 220.88,57.75 v1(220.9,57.77)
  Bottom w0.2: SWR12.2 220.91,57.78 v1(220.9,57.77)
Net-(DR13-A): length 102.9
  Top w0.2: v1(202.38,67.78) 202.21,67.6 SWR13.2 185.68,64.05 185.68,55.86 184.39,54.57 169.35,54.57 166.02,51.24 151.46,51.24 149.2,53.49 149.2,57.88 148.26,58.82 148.26,64.71 147.34,65.64 147.34,71.44 146.84,71.94 139.44,71.94 138.8,72.58 DR13.2
  Bottom w0.2: SWR13.2 202.5,67.9 v1(202.38,67.78)
Net-(DR14-A): length 83.2
  Top w0.2: v1(184.5,59.07) 184.41,59.16 SWR14.2 169.86,57.79 169.86,56.45 169.83,56.45 165.61,52.23 151.87,52.23 150.19,53.9 150.19,58.29 149.25,59.23 149.25,65.12 148.35,66.02 148.35,71.82 147.38,72.79 147.38,78.59 146.88,79.1 139.5,79.1 138.8,79.81 DR14.2
  Bottom w0.2: SWR14.2 v1(184.5,59.07)
Net-(DR15-A): length 64.7
  Top w0.2: v1(166.5,56.33) 166.48,56.36 SWR15.2 151.67,56.36 151.18,56.84 151.18,58.7 150.24,59.64 150.24,65.53 149.34,66.43 149.34,72.23 148.37,73.2 148.37,79 147.44,79.93 147.44,85.74 146.88,86.3 139.52,86.3 138.8,87.03 DR15.2
  Bottom w0.2: SWR15.2 v1(166.5,56.33)
Net-(DR16-A): length 31.9
  Top w0.2: SWR16.2 256.03,47.6 v1(256.1,47.67) ; v1(243.95,60.04) 243.95,61.21
  Bottom w0.2: SWR16.2 243.97,48.99 243.97,60.02 v1(243.95,60.04) ; 256.1,51.86 v1(256.1,47.67)
Net-(DR17-A): length 57.5
  Top w0.2: SWR17.2 174.36,36.24 v1(174.49,36.36) ; v1(145.88,51.58) 145.9,51.59 DR17.2
  Bottom w0.2: v1(145.88,51.58) 145.88,47 154.28,38.61 154.87,38.61 156.93,40.67 166.38,40.67 170.81,36.24 SWR17.2 ; SWR17.2 181.6,47.78 181.6,43.48 v1(174.49,36.36)
Net-(DR18-A): length 48.5
  Top w0.2: v1(142.33,51.58) 142.35,51.59 DR18.2 ; v1(157.27,39.84) v1(159.03,39.84)
  Bottom w0.2: v1(159.03,39.84) 159.85,39.84 165.31,34.37 165.31,31.09 SWR18.2 ; v1(142.33,51.58) 145.22,48.69 145.22,46.73 154.07,37.89 155.32,37.89 v1(157.27,39.84)
Net-(DR19-A): length 59.1
  Top w0.2: v1(138.81,51.54) 138.8,51.55 DR19.2
  Bottom w0.2: 145.9,7.81 145.9,9.24 150.89,14.23 150.89,19.45 SWR19.2 147.33,31.6 153.61,37.88 144.89,46.59 144.89,48.31 142.18,51.03 140.79,51.03 140.28,51.54 v1(138.81,51.54)

## Copper pours and planes (outline as drawn; the poured copper is in the pictures)
GND_L on Top, Bottom: 128.71,-28.43 -8.53,-28.43 -8.53,147.54 128.71,147.54
GND_R on Top, Bottom: 267.46,-28.43 130.15,-28.44 130.16,147.57 267.48,147.56

## Text on the board
B.Mask: 0.1
B.Silkscreen: R0 | R1 | R2 | R3 | C0 | C1 | TX | GND | VCC | C2 | C3 | C4 | RX | f a b i l a b | M A D E   B Y | R E V I S I O N   0 . 1 ? | fabi T E M | SEEED XIAO RP2040
User.Drawings: fabi T E M
F.Silkscreen: SEEED XIAO RP2040
